# KiCad board vootington minivan.kicad_pcb
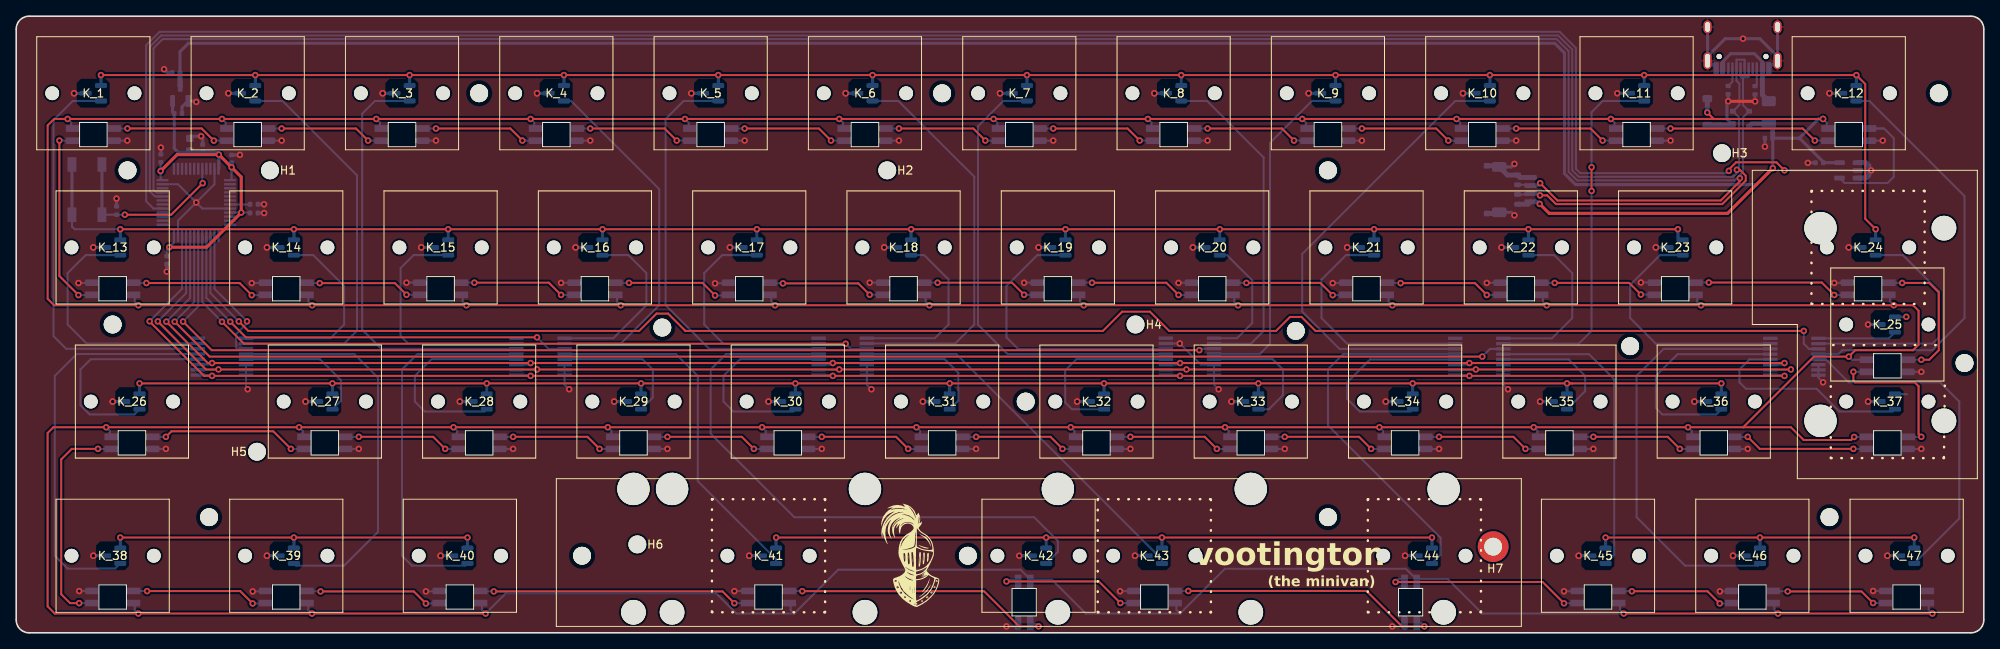
[diagram p0: board, top side]
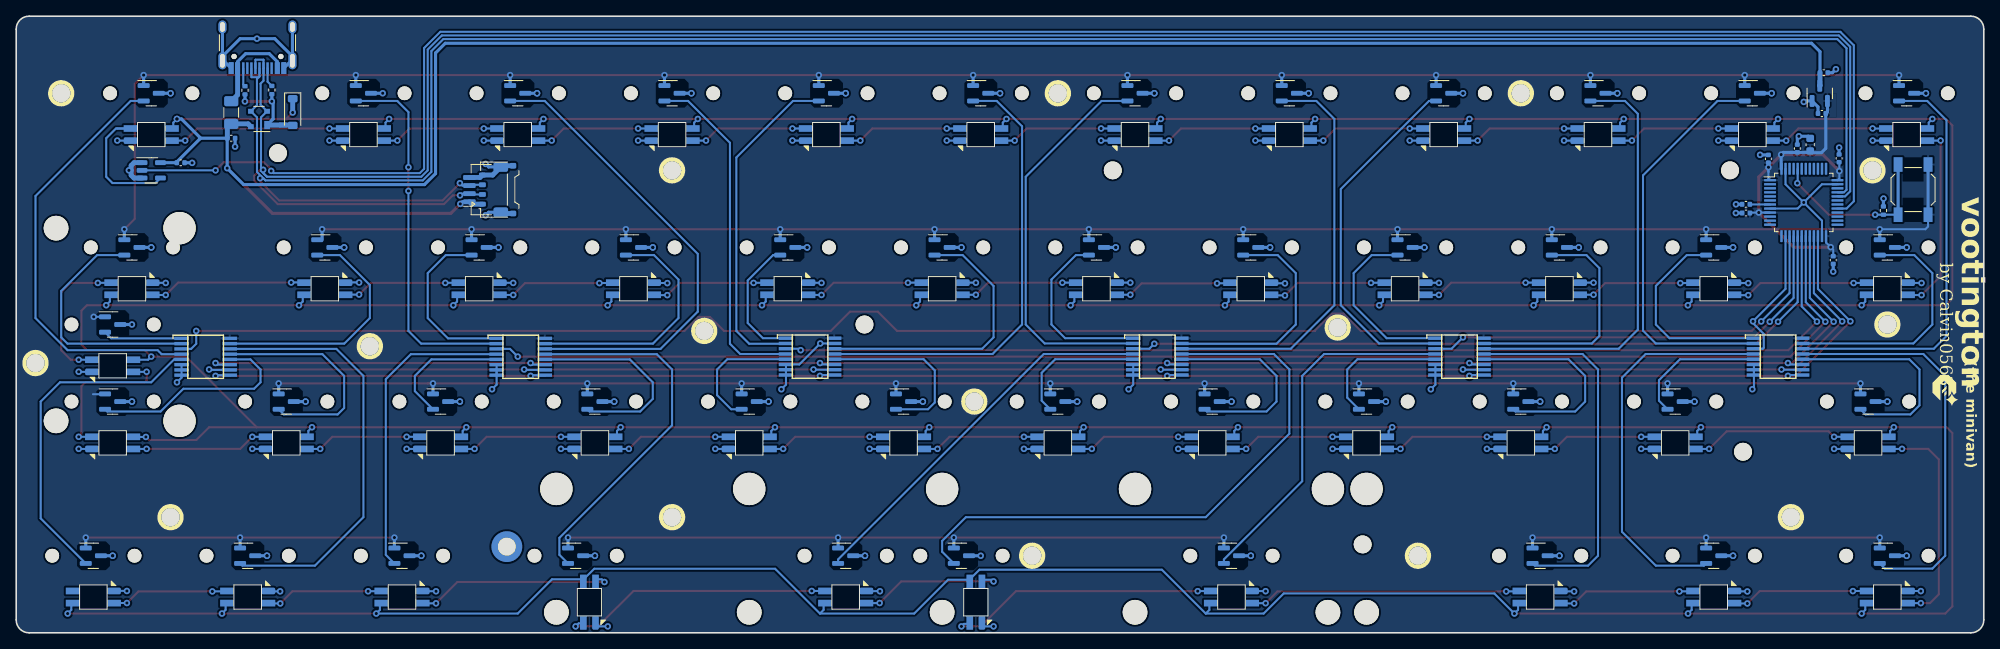
[diagram p1: board, bottom side, seen from below]

Outline 242.89 x 76.2 mm; copper layers: Top, Bottom. Coordinates in mm from the lower left corner of the outline.
Outline path: 0,74.61 arc(0.46,75.74) 1.59,76.2 241.3,76.2 arc(242.42,75.74) 242.89,74.61 242.89,1.59 arc(242.42,0.46) 241.3,0 1.59,0 arc(0.46,0.46) 0,1.59 0,74.61
Stack: Top 0.035mm / dielectric 0.2104mm FR4 er 4.6 / Bottom 0.035mm

## Placement (name value [footprint] x y rotation side)
C1  100nF  [C_0402_1005Metric]  18.59 46.06 270 bottom
C2  100nF  [C_0402_1005Metric]  17.86 58.64 90 bottom
C3  100nF  [C_0402_1005Metric]  222.58 58.09 0 bottom
C4  1uF  [C_0402_1005Metric]  19.74 69.22 0 bottom
C5  1uF  [C_0402_1005Metric]  19.99 64.18 180 bottom
C6  100nF  [C_0402_1005Metric]  216.34 61.12 180 bottom
C10  100nF  [C_0402_1005Metric]  23.02 59.85 90 bottom
C11  100nF  [C_0402_1005Metric]  29.35 51.88 0 bottom
C12  100nF  [C_0402_1005Metric]  26.59 58.58 90 bottom
C13  10uF  [C_0603_1608Metric]  21.43 60.33 90 bottom
C29  100nF  [C_0402_1005Metric]  29.36 52.95 0 bottom
D2  SK6812MINI-E  [SK6812-MINI-E]  9.53 61.57 0 bottom
D3  SK6812MINI-E  [SK6812-MINI-E]  28.57 61.57 0 bottom
D4  SK6812MINI-E  [SK6812-MINI-E]  47.62 61.57 0 bottom
D5  SK6812MINI-E  [SK6812-MINI-E]  66.67 61.57 0 bottom
D6  SK6812MINI-E  [SK6812-MINI-E]  85.73 61.57 0 bottom
D7  SK6812MINI-E  [SK6812-MINI-E]  104.77 61.57 0 bottom
D8  SK6812MINI-E  [SK6812-MINI-E]  123.83 61.57 0 bottom
D9  SK6812MINI-E  [SK6812-MINI-E]  142.88 61.57 0 bottom
D10  SK6812MINI-E  [SK6812-MINI-E]  161.92 61.57 0 bottom
D11  SK6812MINI-E  [SK6812-MINI-E]  180.97 61.57 0 bottom
D12  SK6812MINI-E  [SK6812-MINI-E]  200.02 61.57 0 bottom
D13  SK6812MINI-E  [SK6812-MINI-E]  226.22 61.57 0 bottom
D14  SK6812MINI-E  [SK6812-MINI-E]  109.54 42.52 180 bottom
D15  SK6812MINI-E  [SK6812-MINI-E]  90.49 42.52 180 bottom
D16  SK6812MINI-E  [SK6812-MINI-E]  71.44 42.52 180 bottom
D17  SK6812MINI-E  [SK6812-MINI-E]  52.39 42.52 180 bottom
D18  SK6812MINI-E  [SK6812-MINI-E]  33.34 42.52 180 bottom
D19  SK6812MINI-E  [SK6812-MINI-E]  11.91 42.52 180 bottom
D20  SK6812MINI-E  [SK6812-MINI-E]  228.6 42.52 180 bottom
D21  SK6812MINI-E  [SK6812-MINI-E]  204.79 42.52 180 bottom
D22  SK6812MINI-E  [SK6812-MINI-E]  185.74 42.52 180 bottom
D23  SK6812MINI-E  [SK6812-MINI-E]  166.69 42.52 180 bottom
D24  SK6812MINI-E  [SK6812-MINI-E]  147.64 42.52 180 bottom
D25  SK6812MINI-E  [SK6812-MINI-E]  128.59 42.52 180 bottom
D26  SK6812MINI-E  [SK6812-MINI-E]  133.35 23.47 0 bottom
D27  SK6812MINI-E  [SK6812-MINI-E]  152.4 23.47 0 bottom
D28  SK6812MINI-E  [SK6812-MINI-E]  171.45 23.47 0 bottom
D29  SK6812MINI-E  [SK6812-MINI-E]  190.5 23.47 0 bottom
D30  SK6812MINI-E  [SK6812-MINI-E]  209.55 23.47 0 bottom
D31  SK6812MINI-E  [SK6812-MINI-E]  230.98 33 0 bottom
D32  SK6812MINI-E  [SK6812-MINI-E]  14.29 23.47 0 bottom
D33  SK6812MINI-E  [SK6812-MINI-E]  38.1 23.47 0 bottom
D34  SK6812MINI-E  [SK6812-MINI-E]  57.15 23.47 0 bottom
D35  SK6812MINI-E  [SK6812-MINI-E]  76.2 23.47 0 bottom
D36  SK6812MINI-E  [SK6812-MINI-E]  95.25 23.47 0 bottom
D37  SK6812MINI-E  [SK6812-MINI-E]  114.3 23.47 0 bottom
D38  SK6812MINI-E  [SK6812-MINI-E]  124.43 3.79 270 bottom
D39  SK6812MINI-E  [SK6812-MINI-E]  92.87 4.42 180 bottom
D40  SK6812MINI-E  [SK6812-MINI-E]  54.77 4.42 180 bottom
D41  SK6812MINI-E  [SK6812-MINI-E]  33.34 4.42 180 bottom
D42  SK6812MINI-E  [SK6812-MINI-E]  11.91 4.42 180 bottom
D44  SK6812MINI-E  [SK6812-MINI-E]  230.98 23.47 0 bottom
D45  SK6812MINI-E  [SK6812-MINI-E]  233.36 4.42 180 bottom
D46  SK6812MINI-E  [SK6812-MINI-E]  214.31 4.42 180 bottom
D47  SK6812MINI-E  [SK6812-MINI-E]  195.26 4.42 180 bottom
D48  SK6812MINI-E  [SK6812-MINI-E]  172.13 3.79 270 bottom
D49  SK6812MINI-E  [SK6812-MINI-E]  140.49 4.42 180 bottom
D_PWR1  SMF9.0CA  [D_SOD-123]  208.76 64.36 270 bottom
F2  ASMD1206-150  [Fuse_1206_3216Metric]  216.34 64.29 270 bottom
G***  -  [LOGO]  111.13 9.53 0 top
G***#2  -  [LOGO]  4.76 30.16 270 bottom
G***#3  -  [LOGO]  24.36 -30.86 180 bottom
H1  MountingHole  [MountingHole_2.2mm_M2]  31.32 57.15 0 top
H2  MountingHole  [MountingHole_2.2mm_M2]  107.52 57.15 0 top
H3  MountingHole  [MountingHole_2.2mm_M2]  210.57 59.28 0 top
H4  MountingHole  [MountingHole_2.2mm_M2]  138.17 38.1 0 top
H5  MountingHole  [MountingHole_2.2mm_M2]  29.73 22.38 0 top
H6  MountingHole  [MountingHole_2.2mm_M2]  76.67 10.93 0 top
H7  MountingHole  [MountingHole_2.2mm_M2_DIN965_Pad]  182.32 10.65 0 top
H8  MountingHole  [HOLE_M2]  57.15 66.68 0 top
H9  MountingHole  [HOLE_M2]  114.3 66.68 0 top
H10  MountingHole  [HOLE_M2]  237.33 66.68 0 top
H11  MountingHole  [HOLE_M2]  79.76 37.72 0 top
H12  MountingHole  [HOLE_M2]  157.96 37.31 0 top
H13  MountingHole  [HOLE_M2]  199.23 35.42 0 top
H14  MountingHole  [HOLE_M2]  240.51 33.34 0 top
H15  MountingHole  [HOLE_M2]  23.81 14.29 0 top
H16  MountingHole  [HOLE_M2]  69.85 9.53 0 top
H17  MountingHole  [HOLE_M2]  117.48 9.53 0 top
H18  MountingHole  [HOLE_M2]  161.92 14.29 0 top
H19  MountingHole  [HOLE_M2]  223.84 14.29 0 top
H20  MountingHole  [HOLE_M2]  124.62 28.58 0 top
H21  MountingHole  [HOLE_M2]  161.92 57.15 0 top
H22  MountingHole  [HOLE_M2]  13.74 57.15 0 top
H23  MountingHole  [HOLE_M2]  11.91 38.1 0 top
J1  JST SH  [JST_SH_SM04B-SRSS-TB_1x04-1MP_P1.00mm_Horizontal]  184.94 54.77 90 bottom
J2  USB_C sink board 1.3mm  [USB_C_Receptacle_HRO_TYPE-C-31-M-12]  213.11 73.82 0 bottom
J3  Pico EZmate  [Molex_Pico-EZmate_78171-0004_1x04-1MP_P1.20mm_Vertical]  183.46 54.77 90 bottom
K_1  KEYSW  [Wooting_1.00u]  9.53 66.68 0 top
K_2  KEYSW  [Wooting_1.00u]  28.57 66.68 0 top
K_3  KEYSW  [Wooting_1.00u]  47.62 66.68 0 top
K_4  KEYSW  [Wooting_1.00u]  66.67 66.68 0 top
K_5  KEYSW  [Wooting_1.00u]  85.73 66.68 0 top
K_6  KEYSW  [Wooting_1.00u]  104.77 66.68 0 top
K_7  KEYSW  [Wooting_1.00u]  123.83 66.68 0 top
K_8  KEYSW  [Wooting_1.00u]  142.88 66.68 0 top
K_9  KEYSW  [Wooting_1.00u]  161.92 66.68 0 top
K_10  KEYSW  [Wooting_1.00u]  180.97 66.68 0 top
K_11  KEYSW  [Wooting_1.00u]  200.02 66.68 0 top
K_12  KEYSW  [Wooting_1.00u]  226.22 66.68 0 top
K_13  KEYSW  [Wooting_1.00u]  11.91 47.62 0 top
K_14  KEYSW  [Wooting_1.00u]  33.34 47.62 0 top
K_15  KEYSW  [Wooting_1.00u]  52.39 47.62 0 top
K_16  KEYSW  [Wooting_1.00u]  71.44 47.62 0 top
K_17  KEYSW  [Wooting_1.00u]  90.49 47.62 0 top
K_18  KEYSW  [Wooting_1.00u]  109.54 47.62 0 top
K_19  KEYSW  [Wooting_1.00u]  128.59 47.62 0 top
K_20  KEYSW  [Wooting_1.00u]  147.64 47.62 0 top
K_21  KEYSW  [Wooting_1.00u]  166.69 47.62 0 top
K_22  KEYSW  [Wooting_1.00u]  185.74 47.62 0 top
K_23  KEYSW  [Wooting_1.00u]  204.79 47.62 0 top
K_24  KEYSW  [Wooting_1.00u]  228.6 47.62 0 top
K_25  KEYSW  [Wooting_1.00u]  230.98 38.1 0 top
K_26  KEYSW  [Wooting_1.00u]  14.29 28.58 0 top
K_27  KEYSW  [Wooting_1.00u]  38.1 28.58 0 top
K_28  KEYSW  [Wooting_1.00u]  57.15 28.58 0 top
K_29  KEYSW  [Wooting_1.00u]  76.2 28.58 0 top
K_30  KEYSW  [Wooting_1.00u]  95.25 28.58 0 top
K_31  KEYSW  [Wooting_1.00u]  114.3 28.58 0 top
K_32  KEYSW  [Wooting_1.00u]  133.35 28.58 0 top
K_33  KEYSW  [Wooting_1.00u]  152.4 28.58 0 top
K_34  KEYSW  [Wooting_1.00u]  171.45 28.58 0 top
K_35  KEYSW  [Wooting_1.00u]  190.5 28.58 0 top
K_36  KEYSW  [Wooting_1.00u]  209.55 28.58 0 top
K_37  KEYSW  [Wooting_1.00u]  230.98 28.58 0 top
K_38  KEYSW  [Wooting_1.00u]  11.91 9.53 0 top
K_39  KEYSW  [Wooting_1.00u]  33.34 9.53 0 top
K_40  KEYSW  [Wooting_1.00u]  54.77 9.53 0 top
K_41  KEYSW  [Wooting_1.00u]  92.87 9.53 0 top
K_42  KEYSW  [Wooting_1.00u]  126.2 9.53 0 top
K_43  KEYSW  [Wooting_1.00u]  140.49 9.53 0 top
K_44  KEYSW  [Wooting_1.00u]  173.83 9.53 0 top
K_45  KEYSW  [Wooting_1.00u]  195.26 9.53 0 top
K_46  KEYSW  [Wooting_1.00u]  214.31 9.53 0 top
K_47  KEYSW  [Wooting_1.00u]  233.36 9.53 0 top
R3  5.1k  [R_0402_1005Metric]  211.33 67.07 90 bottom
R4  5.1k  [R_0402_1005Metric]  214.64 67.04 90 bottom
R5  10k  [R_0402_1005Metric]  12.39 52.18 90 bottom
S1  MX_stab  [STAB_MX_2.75u]  92.87 9.53 180 top
S2  MX_stab  [STAB_MX_6.25u]  126.2 9.53 180 top
S3  MX_stab  [STAB_MX_2.25u]  140.49 9.53 180 top
S4  MX_stab  [STAB_MX_ISO-ROT]  230.98 38.1 0 top
SW1  SKQGABE010  [SW_SPST_SKQG_WithoutStem]  8.73 54.77 270 bottom
U2  SLSS49E-3  [SOT-23]  47.62 66.68 180 bottom
U4  SLSS49E-3  [SOT-23]  9.53 66.68 180 bottom
U5  SLSS49E-3  [SOT-23]  28.57 66.68 180 bottom
U6  SLSS49E-3  [SOT-23]  66.67 66.68 180 bottom
U7  SLSS49E-3  [SOT-23]  85.73 66.68 180 bottom
U8  SLSS49E-3  [SOT-23]  104.77 66.68 180 bottom
U9  SLSS49E-3  [SOT-23]  123.83 66.68 180 bottom
U10  SLSS49E-3  [SOT-23]  142.88 66.68 180 bottom
U11  SLSS49E-3  [SOT-23]  200.02 66.68 180 bottom
U12  SLSS49E-3  [SOT-23]  226.22 66.68 180 bottom
U13  SLSS49E-3  [SOT-23]  161.92 66.68 180 bottom
U14  SLSS49E-3  [SOT-23]  180.97 66.68 180 bottom
U15  SLSS49E-3  [SOT-23]  11.91 47.62 180 bottom
U16  SLSS49E-3  [SOT-23]  33.34 47.62 180 bottom
U17  SLSS49E-3  [SOT-23]  90.49 47.62 180 bottom
U18  SLSS49E-3  [SOT-23]  109.54 47.62 180 bottom
U19  SLSS49E-3  [SOT-23]  128.59 47.62 180 bottom
U20  SLSS49E-3  [SOT-23]  147.64 47.62 180 bottom
U21  SLSS49E-3  [SOT-23]  204.79 47.62 180 bottom
U22  SLSS49E-3  [SOT-23]  228.6 47.62 180 bottom
U23  SLSS49E-3  [SOT-23]  52.39 47.62 180 bottom
U24  SLSS49E-3  [SOT-23]  71.44 47.62 180 bottom
U25  SLSS49E-3  [SOT-23]  166.69 47.62 180 bottom
U26  SLSS49E-3  [SOT-23]  185.74 47.62 180 bottom
U27  SLSS49E-3  [SOT-23]  14.29 28.58 180 bottom
U28  SLSS49E-3  [SOT-23]  38.1 28.58 180 bottom
U29  SLSS49E-3  [SOT-23]  95.25 28.58 180 bottom
U30  SLSS49E-3  [SOT-23]  114.3 28.58 180 bottom
U31  SLSS49E-3  [SOT-23]  133.35 28.58 180 bottom
U32  SLSS49E-3  [SOT-23]  152.4 28.58 180 bottom
U33  SLSS49E-3  [SOT-23]  209.55 28.58 180 bottom
U34  SLSS49E-3  [SOT-23]  230.98 28.58 180 bottom
U35  SLSS49E-3  [SOT-23]  57.15 28.58 180 bottom
U36  SLSS49E-3  [SOT-23]  76.2 28.58 180 bottom
U37  SLSS49E-3  [SOT-23]  171.45 28.58 180 bottom
U38  SLSS49E-3  [SOT-23]  190.5 28.58 180 bottom
U39  SLSS49E-3  [SOT-23]  11.91 9.53 180 bottom
U40  SLSS49E-3  [SOT-23]  33.34 9.53 180 bottom
U41  SLSS49E-3  [SOT-23]  126.21 9.53 180 bottom
U42  SLSS49E-3  [SOT-23]  140.49 9.53 180 bottom
U43  SLSS49E-3  [SOT-23]  173.83 9.53 180 bottom
U44  SLSS49E-3  [SOT-23]  195.26 9.53 180 bottom
U45  SLSS49E-3  [SOT-23]  230.98 38.1 180 bottom
U46  74AHCT1G125  [TSOT-23-5]  226.22 57.15 180 bottom
U47  SLSS49E-3  [SOT-23]  54.77 9.53 180 bottom
U48  SLSS49E-3  [SOT-23]  92.87 9.53 180 bottom
U49  SLSS49E-3  [SOT-23]  214.31 9.53 180 bottom
U50  SLSS49E-3  [SOT-23]  233.36 9.53 180 bottom
U51  74HC4051  [TSSOP16]  219.5 34.11 270 bottom
U52  XC6206PxxxMR-Regulator_Linear  [SOT-23]  20.25 66.66 90 bottom
U53  74HC4051  [TSSOP16]  180.61 34.11 270 bottom
U54  74HC4051  [TSSOP16]  144.89 34.13 270 bottom
U55  74HC4051  [TSSOP16]  102.03 34.13 270 bottom
U56  74HC4051  [TSSOP16]  64.72 34.13 270 bottom
U57  74HC4051  [TSSOP16]  25.4 34.13 270 bottom
U58  PRTR5V0U2X  [SOT-143]  212.92 63.5 0 bottom
U59  STM32F072CBT6  [LQFP-48_7x7mm_P0.5mm]  22.22 53.18 180 bottom

## Library data of the parts
C1 C2 C6 C10-C12 = -: Description: Unpolarized capacitor; LCSC: C307331
C3 = -: Description: Unpolarized capacitor, small symbol
C4 C5 = -: Description: Unpolarized capacitor, small symbol; LCSC: C52923
C13 = -: Description: Unpolarized capacitor
C29 = -: Description: Unpolarized capacitor, small symbol; LCSC: C307331
D2 D7 D8 D13 D14 D19 D20 D25 D26 D31 D32 D37 D38 D44 D49 = -: LCSC: C5149201; LCSC Part: C5149201
D3-D6 D9-D12 D15-D18 D21-D24 D27-D30 D33-D36 D39-D42 D45-D48 = -: LCSC: C5183448; LCSC Part: C5183448
D_PWR1 = -: Description: Bidirectional transient-voltage-suppression diode
F2 = -: Description: Resettable fuse, polymeric positive temperature coefficient; LCSC: C135341
H1-H23 = -: Description: Mounting Hole without connection
J1 J3 = -: Description: Generic connectable mounting pin connector, single row, 01x04, script generated (kicad-library-utils/schlib/autogen/connector/)
J2 = -: Description: USB 2.0-only Type-C Receptacle connector; JlcPosOffset: 0,1.35; JlcRotOffset: 180; LCSC: C3019717
R3 R4 = -: Description: Resistor
R5 = -: Description: Resistor, small symbol
S1-S4 = -: Description: Cherry MX-style stabilizer
SW1 = -: Description: Push button switch, generic, two pins; LCSC: C115351
U2 U4-U45 U47-U50 = -: Description: 3-pin Linear Hall Effect Sensor; LCSC: C2904393; LCSC Part: C2904393
U46 = -: Description: Single Buffer Gate Tri-State, Low-Voltage CMOS
U51 U53-U57 = -: Description: 8-channel analog multiplexer/demultiplexer, DIP-16/SOIC-16/TSSOP-16
U52 = -: Description: SMD LDO regulator family; JlcRotOffset: 180; LCSC: C5446
U58 = -: Description: Ultra low capacitance double rail-to-rail ESD protection diode, SOT-143; JlcRotOffset: 90; LCSC: C2827688
U59 = -: Description: STMicroelectronics Arm Cortex-M0 MCU, 128KB flash, 16KB RAM, 48 MHz, 2.0-3.6V, 37 GPIO, LQFP48; JlcRotOffset: 90

## Footprints (pads in the part's own frame, mm; a bottom-side part is the same pattern mirrored in y, then rotated)
C_0402_1005Metric
  rrect 0.56x0.62 smd: 1(-0.48,0) 2(0.48,0)
C_0603_1608Metric
  rrect 0.9x0.95 smd: 1(-0.775,0) 2(0.775,0)
D_SOD-123
  rrect 0.9x1.2 smd: 1(-1.65,0) 2(1.65,0)
Fuse_1206_3216Metric
  rrect 1.25x1.75 smd: 1(-1.4,0) 2(1.4,0)
HOLE_M2
  round 2.2 hole 2.2 unplated: (0,0)
JST_SH_SM04B-SRSS-TB_1x04-1MP_P1.00mm_Horizontal
  rrect 0.6x1.55 smd: 1(-1.5,2) 2(-0.5,2) 3(0.5,2) 4(1.5,2)
  rrect 1.2x1.8 smd: MP(-2.8,-1.875) MP(2.8,-1.875)
LQFP-48_7x7mm_P0.5mm
  rrect 1.475x0.3 smd: 1(-4.162,2.75) 2(-4.162,2.25) 3(-4.162,1.75) 4(-4.162,1.25) 5(-4.162,0.75) 6(-4.162,0.25) 7(-4.162,-0.25) 8(-4.162,-0.75) 9(-4.162,-1.25) 10(-4.162,-1.75) 11(-4.162,-2.25) 12(-4.162,-2.75) 25(4.162,-2.75) 26(4.162,-2.25) 27(4.162,-1.75) 28(4.162,-1.25) 29(4.162,-0.75) 30(4.162,-0.25) 31(4.162,0.25) 32(4.162,0.75) 33(4.162,1.25) 34(4.162,1.75) 35(4.162,2.25) 36(4.162,2.75)
  rrect 0.3x1.475 smd: 13(-2.75,-4.162) 14(-2.25,-4.162) 15(-1.75,-4.162) 16(-1.25,-4.162) 17(-0.75,-4.162) 18(-0.25,-4.162) 19(0.25,-4.162) 20(0.75,-4.162) 21(1.25,-4.162) 22(1.75,-4.162) 23(2.25,-4.162) 24(2.75,-4.162) 37(2.75,4.162) 38(2.25,4.162) 39(1.75,4.162) 40(1.25,4.162) 41(0.75,4.162) 42(0.25,4.162) 43(-0.25,4.162) 44(-0.75,4.162) 45(-1.25,4.162) 46(-1.75,4.162) 47(-2.25,4.162) 48(-2.75,4.162)
Molex_Pico-EZmate_78171-0004_1x04-1MP_P1.20mm_Vertical
  rrect 0.6x0.85 smd: 1(-1.8,1.875) 2(-0.6,1.875) 3(0.6,1.875) 4(1.8,1.875)
  rrect 0.7x0.8 smd: MP(-2.95,-1.9) MP(2.95,-1.9)
MountingHole_2.2mm_M2
  round 2.2 hole 2.2 unplated: (0,0)
MountingHole_2.2mm_M2_DIN965_Pad
  round 3.8 hole 2.2: 1(0,0)
R_0402_1005Metric
  rrect 0.54x0.64 smd: 1(-0.51,0) 2(0.51,0)
SK6812-MINI-E
  rect 1.7x0.82 smd: 1(-2.55,-0.75) 2(-2.55,0.75) 4(2.55,-0.75)
  rrect 1.7x0.82 smd: 3(2.55,0.75)
SOT-23
  rrect 1.475x0.6 smd: 1(-0.938,0.95) 2(-0.938,-0.95) 3(0.938,0)
SOT-143
  rect 0.7x1 smd: 1(-1,0.75)
  rect 0.7x0.6 smd: 2(-1,-0.95) 3(1,-0.95) 4(1,0.95)
STAB_MX_2.25u
  round 3.048 hole 3.048 unplated: (-11.906,6.985) (11.906,6.985)
  round 3.988 hole 3.988 unplated: (-11.906,-8.255) (11.906,-8.255)
STAB_MX_2.75u
  round 3.048 hole 3.048 unplated: (-11.906,6.985) (11.906,6.985)
  round 3.988 hole 3.988 unplated: (-11.906,-8.255) (11.906,-8.255)
STAB_MX_6.25u
  round 3.048 hole 3.048 unplated: (-50.006,6.985) (50.006,6.985)
  round 3.988 hole 3.988 unplated: (-50.006,-8.255) (50.006,-8.255)
STAB_MX_ISO-ROT
  round 3.988 hole 3.988 unplated: (-8.255,11.906) (-8.255,-11.906)
  round 3.048 hole 3.048 unplated: (6.985,11.906) (6.985,-11.906)
SW_SPST_SKQG_WithoutStem
  rect 1.8x1.1 smd: 1(-3.1,1.85) 1(3.1,1.85) 2(-3.1,-1.85) 2(3.1,-1.85)
TSOT-23-5
  rrect 1.325x0.6 smd: 1(-1.137,0.95) 2(-1.137,0) 3(-1.137,-0.95) 4(1.137,-0.95) 5(1.137,0.95)
TSSOP16
  rect 0.419x1.778 smd: 1(-2.273,-2.974) 2(-1.623,-2.974) 3(-0.973,-2.974) 4(-0.323,-2.974) 5(0.323,-2.974) 6(0.973,-2.974) 7(1.623,-2.974) 8(2.273,-2.974) 9(2.273,2.974) 10(1.623,2.974) 11(0.973,2.974) 12(0.323,2.974) 13(-0.323,2.974) 14(-0.973,2.974) 15(-1.623,2.974) 16(-2.273,2.974)
USB_C_Receptacle_HRO_TYPE-C-31-M-12
  round 0.65 hole 0.65 unplated: (-2.89,2.6) (2.89,2.6)
  rect 0.6x1.45 smd: A1(-3.25,4.045) A4(-2.45,4.045) A9(2.45,4.045) A12(3.25,4.045) B1(3.25,4.045) B4(2.45,4.045) B9(-2.45,4.045) B12(-3.25,4.045)
  rect 0.3x1.45 smd: A5(-1.25,4.045) A6(-0.25,4.045) A7(0.25,4.045) A8(1.25,4.045) B5(1.75,4.045) B6(0.75,4.045) B7(-0.75,4.045) B8(-1.75,4.045)
  oval 1x1.6 hole 0.6x1.2: S1(-4.32,-1.05) S1(4.32,-1.05)
  oval 1x2.1 hole 0.6x1.7: S1(-4.32,3.13) S1(4.32,3.13)
Wooting_1.00u
  round 1.7 hole 1.7 unplated: (-5.08,0) (5.08,0)

## Nets
+3V3: C1.1 C2.1 C5.2 C10.1 C11.1 C12.1 C13.1 SW1.1 U2.1 U4.1 U5.1 U6.1 U7.1 U8.1 U9.1 U10.1 U11.1 U12.1 U13.1 U14.1 U15.1 U16.1 U17.1 U18.1 U19.1 U20.1 U21.1 U22.1 U23.1 U24.1 U25.1 U26.1 U27.1 U28.1 U29.1 U30.1 U31.1 U32.1 U33.1 U34.1 U35.1 U36.1 U37.1 U38.1 U39.1 U40.1 U41.1 U42.1 U43.1 U44.1 U45.1 U47.1 U48.1 U49.1 U50.1 U51.16 U52.2 U53.16 U54.16 U55.16 U56.16 U57.16 U59.1 U59.9 U59.24 U59.36 U59.48
+5V: C3.2 C4.2 C6.1 D2.1 D3.1 D4.1 D5.1 D6.1 D7.1 D8.1 D9.1 D10.1 D11.1 D12.1 D13.1 D14.1 D15.1 D16.1 D17.1 D18.1 D19.1 D20.1 D21.1 D22.1 D23.1 D24.1 D25.1 D26.1 D27.1 D28.1 D29.1 D30.1 D31.1 D32.1 D33.1 D34.1 D35.1 D36.1 D37.1 D38.1 D39.1 D40.1 D41.1 D42.1 D44.1 D45.1 D46.1 D47.1 D48.1 D49.1 D_PWR1.1 F2.2 J1.1 J3.1 U46.5 U52.3 U58.4
GND: C1.2 C2.2 C3.1 C4.1 C5.1 C6.2 C10.2 C11.2 C12.2 C13.2 C29.2 D2.3 D3.3 D4.3 D5.3 D6.3 D7.3 D8.3 D9.3 D10.3 D11.3 D12.3 D13.3 D14.3 D15.3 D16.3 D17.3 D18.3 D19.3 D20.3 D21.3 D22.3 D23.3 D24.3 D25.3 D26.3 D27.3 D28.3 D29.3 D30.3 D31.3 D32.3 D33.3 D34.3 D35.3 D36.3 D37.3 D38.3 D39.3 D40.3 D41.3 D42.3 D44.3 D45.3 D46.3 D47.3 D48.3 D49.3 D_PWR1.2 J1.4 J1.MP J2.A1 J2.A12 J2.B1 J2.B12 J2.S1 J3.4 J3.MP R3.1 R4.1 R5.2 U2.3 U4.3 U5.3 U6.3 U7.3 U8.3 U9.3 U10.3 U11.3 U12.3 U13.3 U14.3 U15.3 U16.3 U17.3 U18.3 U19.3 U20.3 U21.3 U22.3 U23.3 U24.3 U25.3 U26.3 U27.3 U28.3 U29.3 U30.3 U31.3 U32.3 U33.3 U34.3 U35.3 U36.3 U37.3 U38.3 U39.3 U40.3 U41.3 U42.3 U43.3 U44.3 U45.3 U46.1 U46.3 U47.3 U48.3 U49.3 U50.3 U51.6 U51.7 U51.8 U52.1 U53.6 U53.7 U53.8 U54.6 U54.7 U54.8 U54.15 U55.6 U55.7 U55.8 U56.6 U56.7 U56.8 U57.6 U57.7 U57.8 U58.1 U59.8 U59.23 U59.35 U59.47
VBUS: F2.1 J2.A4 J2.A9 J2.B4 J2.B9
ADC0: U51.3 U59.15
ADC1: U53.3 U59.19
ADC2: U54.3 U59.18
ADC3: U55.3 U59.17
ADC4: U56.3 U59.16
ADC5: U57.3 U59.14
BOOT0: R5.1 SW1.2 U59.44
D_N: J1.2 J2.A7 J2.B7 J3.2 U58.2 U59.32
D_P: J1.3 J2.A6 J2.B6 J3.3 U58.3 U59.33
K_1: U4.2 U57.14
K_2: U5.2 U57.2
K_3: U2.2 U56.14
K_4: U6.2 U56.2
K_5: U7.2 U55.14
K_6: U8.2 U55.2
K_7: U9.2 U54.13
K_8: U10.2 U54.2
K_9: U13.2 U54.4
K_10: U14.2 U53.14
K_11: U11.2 U53.2
K_12: U12.2 U51.4
K_13: U15.2 U57.15
K_14: U16.2 U57.1
K_15: U23.2 U56.15
K_16: U24.2 U56.1
K_17: U17.2 U55.15
K_18: U18.2 U55.1
K_19: U19.2 U54.14
K_20: U20.2 U54.1
K_21: U25.2 U53.15
K_22: U26.2 U53.1
K_23: U21.2 U51.15
K_24: U22.2 U51.2
K_25: U27.2 U57.12
K_26: U28.2 U57.5
K_27: U35.2 U56.12
K_28: U36.2 U56.5
K_29: U29.2 U55.12
K_30: U30.2 U55.5
K_31: U31.2 U54.12
K_32: U32.2 U54.5
K_33: U37.2 U53.12
K_34: U38.2 U53.5
K_35: U33.2 U51.13
K_36: U34.2 U51.12
K_37: U39.2 U57.13
K_38: U40.2 U57.4
K_39: U47.2 U56.13
K_40: U48.2 U56.4
K_41: U41.2 U55.13
K_42: U42.2 U55.4
K_43: U43.2 U53.13
K_44: U44.2 U53.4
K_45: U49.2 U51.14
K_46: U50.2 U51.5
K_47: U45.2 U51.1
NRST: C29.1 U59.7
RGB: D13.4 U46.4
RGB MCU: U46.2 U59.29
SELECT0: U51.11 U53.11 U54.11 U55.11 U56.11 U57.11 U59.20
SELECT1: U51.10 U53.10 U54.10 U55.10 U56.10 U57.10 U59.21
SELECT2: U51.9 U53.9 U54.9 U55.9 U56.9 U57.9 U59.22
Net-(D2-DIN): D2.4 D3.2
Net-(D3-DIN): D3.4 D4.2
Net-(D4-DIN): D4.4 D5.2
Net-(D5-DIN): D5.4 D6.2
Net-(D6-DIN): D6.4 D7.2
Net-(D7-DIN): D7.4 D8.2
Net-(D8-DIN): D8.4 D9.2
Net-(D10-DIN): D10.4 D11.2
Net-(D10-DOUT): D9.4 D10.2
Net-(D11-DIN): D11.4 D12.2
Net-(D12-DIN): D12.4 D13.2
Net-(D14-DIN): D14.4 D15.2
Net-(D14-DOUT): D14.2 D25.4
Net-(D15-DIN): D15.4 D16.2
Net-(D16-DIN): D16.4 D17.2
Net-(D17-DIN): D17.4 D18.2
Net-(D18-DIN): D18.4 D19.2
Net-(D19-DIN): D2.2 D19.4
Net-(D20-DIN): D20.4 D21.2
Net-(D20-DOUT): D20.2 D31.4
Net-(D21-DIN): D21.4 D22.2
Net-(D22-DIN): D22.4 D23.2
Net-(D23-DIN): D23.4 D24.2
Net-(D24-DIN): D24.4 D25.2
Net-(D26-DIN): D26.4 D27.2
Net-(D26-DOUT): D26.2 D37.4
Net-(D27-DIN): D27.4 D28.2
Net-(D28-DIN): D28.4 D29.2
Net-(D29-DIN): D29.4 D30.2
Net-(D30-DIN): D30.4 D44.2
Net-(D31-DOUT): D31.2 D44.4
Net-(D32-DIN): D32.4 D33.2
Net-(D32-DOUT): D32.2 D42.4
Net-(D33-DIN): D33.4 D34.2
Net-(D34-DIN): D34.4 D35.2
Net-(D35-DIN): D35.4 D36.2
Net-(D36-DIN): D36.4 D37.2
Net-(D38-DIN): D38.4 D39.2
Net-(D38-DOUT): D38.2 D49.4
Net-(D39-DIN): D39.4 D40.2
Net-(D40-DIN): D40.4 D41.2
Net-(D41-DIN): D41.4 D42.2
Net-(D45-DIN): D45.4 D46.2
Net-(D46-DIN): D46.4 D47.2
Net-(D47-DIN): D47.4 D48.2
Net-(D48-DIN): D48.4 D49.2
Net-(J2-CC1): J2.A5 R3.2
Net-(J2-CC2): J2.B5 R4.2

Pads without a net: D45 2; H7 1; J2 A8 B8; U59 2 3 4 5 6 10 11 12 13 25 26 27 28 30 31 34 37 38 39 40 41 42 43 45 46

## Via types
v1: diameter 0.8, hole 0.4, Top to Bottom, 395 vias
